# Altium PCB RabbitMask.PcbDoc (part 5 of 5)
Units mm, origin at the board's own origin, x right, y up, seen from the top; angles counter-clockwise.
Board outline 372.49 x 232.54 mm, 2 copper layers (Top Layer, Bottom Layer); 598 components, 1202 nets, 3588 pads, 0 vias.
Unrouted connection lines stored in the file: 1647.

## Nets (pads, with @x,y where several pads share a name; then routed paths per layer and width w, separated by ;. In a path a pad name is that pad's centre, name@x,y a point inside that pad or via, vN(x,y) a via of type N, cw(c..) or ccw(c..) an arc to the next point about the centre after c; other vN are vias at no path point)
5V: U1_1.1 U1_2.1 U1_3.1 U1_4.1 U1_5.1 U1_6.1 U1_7.1 U1_8.1 U1_9.1 U1_10.1 U1_11.1 U1_12.1 U1_13.1 U1_14.1 U1_15.1 U1_16.1 U1_17.1 U1_18.1 U1_19.1 U1_20.1 U1_21.1 U1_22.1 U1_23.1 U1_24.1 U1_25.1 U1_26.1 U1_27.1 U1_28.1 U1_29.1 U1_30.1 U1_31.1 U1_32.1 U1_33.1 U1_34.1 U1_35.1 U1_36.1 U1_37.1 U1_38.1 U1_39.1 U1_40.1 U1_41.1 U1_42.1 U1_43.1 U1_44.1 U1_45.1 U1_46.1 U1_47.1 U1_48.1 U1_49.1 U1_50.1 U1_51.1 U1_52.1 U1_53.1 U1_54.1 U1_55.1 U1_56.1 U1_57.1 U1_58.1 U1_59.1 U1_60.1 U1_61.1 U1_62.1 U1_63.1 U1_64.1 U1_65.1 U1_66.1 U1_67.1 U1_68.1 U1_69.1 U1_70.1 U1_71.1 U1_72.1 U1_73.1 U1_74.1 U1_75.1 U1_76.1 U1_77.1 U1_78.1 U1_79.1 U1_80.1 U1_81.1 U1_82.1 U1_83.1 U1_84.1 U1_85.1 U1_86.1 U1_87.1 U1_88.1 U1_89.1 U1_90.1 U1_91.1 U1_92.1 U1_93.1 U1_94.1 U1_95.1 U1_96.1 U1_97.1 U1_98.1 U1_99.1 U1_100.1 U1_101.1 U1_102.1 U1_103.1 U1_104.1 U1_105.1 U1_106.1 U1_107.1 U1_108.1 U1_109.1 U1_110.1 U1_111.1 U1_112.1 U1_113.1 U1_114.1 U1_115.1 U1_116.1 U1_117.1 U1_118.1 U1_119.1 U1_120.1 U1_121.1 U1_122.1 U1_123.1 U1_124.1 U1_125.1 U1_126.1 U1_127.1 U1_128.1 U1_129.1 U1_130.1 U1_131.1 U1_132.1 U1_133.1 U1_134.1 U1_135.1 U1_136.1 U1_137.1 U1_138.1 U1_139.1 U1_140.1 U1_141.1 U1_142.1 U1_143.1 U1_144.1 U1_145.1 U1_146.1 U1_147.1 U1_148.1 U1_149.1 U1_150.1 U1_151.1 U1_152.1 U1_153.1 U1_154.1 U1_155.1 U1_156.1 U1_157.1 U1_158.1 U1_159.1 U1_160.1 U1_161.1 U1_162.1 U1_163.1 U1_164.1 U1_165.1 U1_166.1 U1_167.1 U1_168.1 U1_169.1 U1_170.1 U1_171.1 U1_172.1 U1_173.1 U1_174.1 U1_175.1 U1_176.1 U1_177.1 U1_178.1 U1_179.1 U1_180.1 U1_181.1 U1_182.1 U1_183.1 U1_184.1 U1_185.1 U1_186.1 U1_187.1 U1_188.1 U1_189.1 U1_190.1 U1_191.1 U1_192.1 U1_193.1 U1_194.1 U1_195.1 U1_196.1 U1_197.1 U1_198.1 U1_199.1 U1_200.1 U1_201.1 U1_202.1 U1_203.1 U1_204.1 U1_205.1 U1_206.1 U1_207.1 U1_208.1 U1_209.1 U1_210.1 U1_211.1 U1_212.1 U1_213.1 U1_214.1 U1_215.1 U1_216.1 U1_217.1 U1_218.1 U1_219.1 U1_220.1 U1_221.1 U1_222.1 U1_223.1 U1_224.1 U1_225.1 U1_226.1 U1_227.1 U1_228.1 U1_229.1 U1_230.1 U1_231.1 U1_232.1 U1_233.1 U1_234.1 U1_235.1 U1_236.1 U1_237.1 U1_238.1 U1_239.1 U1_240.1 U1_241.1 U1_242.1 U1_243.1 U1_244.1 U1_245.1 U1_246.1 U1_247.1 U1_248.1 U1_249.1 U1_250.1 U1_251.1 U1_252.1 U1_253.1 U1_254.1 U1_255.1 U1_256.1 U1_257.1 U1_258.1 U1_259.1 U1_260.1 U1_261.1 U1_262.1 U1_263.1 U1_264.1 U1_265.1 U1_266.1 U1_267.1 U1_268.1 U1_269.1 U1_270.1 U1_271.1 U1_272.1 U1_273.1 U1_274.1 U1_275.1 U1_276.1 U1_277.1 U1_278.1 U1_279.1 U1_280.1 U1_281.1 U1_282.1 U1_283.1 U1_284.1 U1_285.1 U1_286.1 U1_287.1 U1_288.1 U1_289.1 U1_290.1 U1_291.1 U1_292.1 U1_293.1 U1_294.1 U1_295.1 U1_296.1 U1_297.1 U1_298.1 U1_299.1 U2_1.1 U2_2.1 U2_3.1 U2_4.1 U2_5.1 U2_6.1 U2_7.1 U2_8.1 U2_9.1 U2_10.1 U2_11.1 U2_12.1 U2_13.1 U2_14.1 U2_15.1 U2_16.1 U2_17.1 U2_18.1 U2_19.1 U2_20.1 U2_21.1 U2_22.1 U2_23.1 U2_24.1 U2_25.1 U2_26.1 U2_27.1 U2_28.1 U2_29.1 U2_30.1 U2_31.1 U2_32.1 U2_33.1 U2_34.1 U2_35.1 U2_36.1 U2_37.1 U2_38.1 U2_39.1 U2_40.1 U2_41.1 U2_42.1 U2_43.1 U2_44.1 U2_45.1 U2_46.1 U2_47.1 U2_48.1 U2_49.1 U2_50.1 U2_51.1 U2_52.1 U2_53.1 U2_54.1 U2_55.1 U2_56.1 U2_57.1 U2_58.1 U2_59.1 U2_60.1 U2_61.1 U2_62.1 U2_63.1 U2_64.1 U2_65.1 U2_66.1 U2_67.1 U2_68.1 U2_69.1 U2_70.1 U2_71.1 U2_72.1 U2_73.1 U2_74.1 U2_75.1 U2_76.1 U2_77.1 U2_78.1 U2_79.1 U2_80.1 U2_81.1 U2_82.1 U2_83.1 U2_84.1 U2_85.1 U2_86.1 U2_87.1 U2_88.1 U2_89.1 U2_90.1 U2_91.1 U2_92.1 U2_93.1 U2_94.1 U2_95.1 U2_96.1 U2_97.1 U2_98.1 U2_99.1 U2_100.1 U2_101.1 U2_102.1 U2_103.1 U2_104.1 U2_105.1 U2_106.1 U2_107.1 U2_108.1 U2_109.1 U2_110.1 U2_111.1 U2_112.1 U2_113.1 U2_114.1 U2_115.1 U2_116.1 U2_117.1 U2_118.1 U2_119.1 U2_120.1 U2_121.1 U2_122.1 U2_123.1 U2_124.1 U2_125.1 U2_126.1 U2_127.1 U2_128.1 U2_129.1 U2_130.1 U2_131.1 U2_132.1 U2_133.1 U2_134.1 U2_135.1 U2_136.1 U2_137.1 U2_138.1 U2_139.1 U2_140.1 U2_141.1 U2_142.1 U2_143.1 U2_144.1 U2_145.1 U2_146.1 U2_147.1 U2_148.1 U2_149.1 U2_150.1 U2_151.1 U2_152.1 U2_153.1 U2_154.1 U2_155.1 U2_156.1 U2_157.1 U2_158.1 U2_159.1 U2_160.1 U2_161.1 U2_162.1 U2_163.1 U2_164.1 U2_165.1 U2_166.1 U2_167.1 U2_168.1 U2_169.1 U2_170.1 U2_171.1 U2_172.1 U2_173.1 U2_174.1 U2_175.1 U2_176.1 U2_177.1 U2_178.1 U2_179.1 U2_180.1 U2_181.1 U2_182.1 U2_183.1 U2_184.1 U2_185.1 U2_186.1 U2_187.1 U2_188.1 U2_189.1 U2_190.1 U2_191.1 U2_192.1 U2_193.1 U2_194.1 U2_195.1 U2_196.1 U2_197.1 U2_198.1 U2_199.1 U2_200.1 U2_201.1 U2_202.1 U2_203.1 U2_204.1 U2_205.1 U2_206.1 U2_207.1 U2_208.1 U2_209.1 U2_210.1 U2_211.1 U2_212.1 U2_213.1 U2_214.1 U2_215.1 U2_216.1 U2_217.1 U2_218.1 U2_219.1 U2_220.1 U2_221.1 U2_222.1 U2_223.1 U2_224.1 U2_225.1 U2_226.1 U2_227.1 U2_228.1 U2_229.1 U2_230.1 U2_231.1 U2_232.1 U2_233.1 U2_234.1 U2_235.1 U2_236.1 U2_237.1 U2_238.1 U2_239.1 U2_240.1 U2_241.1 U2_242.1 U2_243.1 U2_244.1 U2_245.1 U2_246.1 U2_247.1 U2_248.1 U2_249.1 U2_250.1 U2_251.1 U2_252.1 U2_253.1 U2_254.1 U2_255.1 U2_256.1 U2_257.1 U2_258.1 U2_259.1 U2_260.1 U2_261.1 U2_262.1 U2_263.1 U2_264.1 U2_265.1 U2_266.1 U2_267.1 U2_268.1 U2_269.1 U2_270.1 U2_271.1 U2_272.1 U2_273.1 U2_274.1 U2_275.1 U2_276.1 U2_277.1 U2_278.1 U2_279.1 U2_280.1 U2_281.1 U2_282.1 U2_283.1 U2_284.1 U2_285.1 U2_286.1 U2_287.1 U2_288.1 U2_289.1 U2_290.1 U2_291.1 U2_292.1 U2_293.1 U2_294.1 U2_295.1 U2_296.1 U2_297.1 U2_298.1 U2_299.1
B_CI1: U2_1.5
B_CI2: U2_1.2 U2_2.5
B_CI3: U2_2.2 U2_3.5
B_CI4: U2_3.2 U2_4.5
B_CI5: U2_4.2 U2_5.5
B_CI6: U2_5.2 U2_6.5
B_CI7: U2_6.2 U2_7.5
B_CI8: U2_7.2 U2_8.5
B_CI9: U2_8.2 U2_9.5
B_CI10: U2_9.2 U2_10.5
B_CI11: U2_10.2 U2_11.5
B_CI12: U2_11.2 U2_12.5
B_CI13: U2_12.2 U2_13.5
B_CI14: U2_13.2 U2_14.5
B_CI15: U2_14.2 U2_15.5
B_CI16: U2_15.2 U2_16.5
B_CI17: U2_16.2 U2_17.5
B_CI18: U2_17.2 U2_18.5
B_CI19: U2_18.2 U2_19.5
B_CI20: U2_19.2 U2_20.5
B_CI21: U2_20.2 U2_21.5
B_CI22: U2_21.2 U2_22.5
B_CI23: U2_22.2 U2_23.5
B_CI24: U2_23.2 U2_24.5
B_CI25: U2_24.2 U2_25.5
B_CI26: U2_25.2 U2_26.5
B_CI27: U2_26.2 U2_27.5
B_CI28: U2_27.2 U2_28.5
B_CI29: U2_28.2 U2_29.5
B_CI30: U2_29.2 U2_30.5
B_CI31: U2_30.2 U2_31.5
B_CI32: U2_31.2 U2_32.5
B_CI33: U2_32.2 U2_33.5
B_CI34: U2_33.2 U2_34.5
B_CI35: U2_34.2 U2_35.5
B_CI36: U2_35.2 U2_36.5
B_CI37: U2_36.2 U2_37.5
B_CI38: U2_37.2 U2_38.5
B_CI39: U2_38.2 U2_39.5
B_CI40: U2_39.2 U2_40.5
B_CI41: U2_40.2 U2_41.5
B_CI42: U2_41.2 U2_42.5
B_CI43: U2_42.2 U2_43.5
B_CI44: U2_43.2 U2_44.5
B_CI45: U2_44.2 U2_45.5
B_CI46: U2_45.2 U2_46.5
B_CI47: U2_46.2 U2_47.5
B_CI48: U2_47.2 U2_48.5
B_CI49: U2_48.2 U2_49.5
B_CI50: U2_49.2 U2_50.5
B_CI51: U2_50.2 U2_51.5
B_CI52: U2_51.2 U2_52.5
B_CI53: U2_52.2 U2_53.5
B_CI54: U2_53.2 U2_54.5
B_CI55: U2_54.2 U2_55.5
B_CI56: U2_55.2 U2_56.5
B_CI57: U2_56.2 U2_57.5
B_CI58: U2_57.2 U2_58.5
B_CI59: U2_58.2 U2_59.5
B_CI60: U2_59.2 U2_60.5
B_CI61: U2_60.2 U2_61.5
B_CI62: U2_61.2 U2_62.5
B_CI63: U2_62.2 U2_63.5
B_CI64: U2_63.2 U2_64.5
B_CI65: U2_64.2 U2_65.5
B_CI66: U2_65.2 U2_66.5
B_CI67: U2_66.2 U2_67.5
B_CI68: U2_67.2 U2_68.5
B_CI69: U2_68.2 U2_69.5
B_CI70: U2_69.2 U2_70.5
B_CI71: U2_70.2 U2_71.5
B_CI72: U2_71.2 U2_72.5
B_CI73: U2_72.2 U2_73.5
B_CI74: U2_73.2 U2_74.5
B_CI75: U2_74.2 U2_75.5
B_CI76: U2_75.2 U2_76.5
B_CI77: U2_76.2 U2_77.5
B_CI78: U2_77.2 U2_78.5
B_CI79: U2_78.2 U2_79.5
B_CI80: U2_79.2 U2_80.5
B_CI81: U2_80.2 U2_81.5
B_CI82: U2_81.2 U2_82.5
B_CI83: U2_82.2 U2_83.5
B_CI84: U2_83.2 U2_84.5
B_CI85: U2_84.2 U2_85.5
B_CI86: U2_85.2 U2_86.5
B_CI87: U2_86.2 U2_87.5
B_CI88: U2_87.2 U2_88.5
B_CI89: U2_88.2 U2_89.5
B_CI90: U2_89.2 U2_90.5
B_CI91: U2_90.2 U2_91.5
B_CI92: U2_91.2 U2_92.5
B_CI93: U2_92.2 U2_93.5
B_CI94: U2_93.2 U2_94.5
B_CI95: U2_94.2 U2_95.5
B_CI96: U2_95.2 U2_96.5
B_CI97: U2_96.2 U2_97.5
B_CI98: U2_97.2 U2_98.5
B_CI99: U2_98.2 U2_99.5
B_CI100: U2_99.2 U2_100.5
B_CI101: U2_100.2 U2_101.5
B_CI102: U2_101.2 U2_102.5
B_CI103: U2_102.2 U2_103.5
B_CI104: U2_103.2 U2_104.5
B_CI105: U2_104.2 U2_105.5
B_CI106: U2_105.2 U2_106.5
B_CI107: U2_106.2 U2_107.5
B_CI108: U2_107.2 U2_108.5
B_CI109: U2_108.2 U2_109.5
B_CI110: U2_109.2 U2_110.5
B_CI111: U2_110.2 U2_111.5
B_CI112: U2_111.2 U2_112.5
B_CI113: U2_112.2 U2_113.5
B_CI114: U2_113.2 U2_114.5
B_CI115: U2_114.2 U2_115.5
B_CI116: U2_115.2 U2_116.5
B_CI117: U2_116.2 U2_117.5
B_CI118: U2_117.2 U2_118.5
B_CI119: U2_118.2 U2_119.5
B_CI120: U2_119.2 U2_120.5
B_CI121: U2_120.2 U2_121.5
B_CI122: U2_121.2 U2_122.5
B_CI123: U2_122.2 U2_123.5
B_CI124: U2_123.2 U2_124.5
B_CI125: U2_124.2 U2_125.5
B_CI126: U2_125.2 U2_126.5
B_CI127: U2_126.2 U2_127.5
B_CI128: U2_127.2 U2_128.5
B_CI129: U2_128.2 U2_129.5
B_CI130: U2_129.2 U2_130.5
B_CI131: U2_130.2 U2_131.5
B_CI132: U2_131.2 U2_132.5
B_CI133: U2_132.2 U2_133.5
B_CI134: U2_133.2 U2_134.5
B_CI135: U2_134.2 U2_135.5
B_CI136: U2_135.2 U2_136.5
B_CI137: U2_136.2 U2_137.5
B_CI138: U2_137.2 U2_138.5
B_CI139: U2_138.2 U2_139.5
B_CI140: U2_139.2 U2_140.5
B_CI141: U2_140.2 U2_141.5
B_CI142: U2_141.2 U2_142.5
B_CI143: U2_142.2 U2_143.5
B_CI144: U2_143.2 U2_144.5
B_CI145: U2_144.2 U2_145.5
B_CI146: U2_145.2 U2_146.5
B_CI147: U2_146.2 U2_147.5
B_CI148: U2_147.2 U2_148.5
B_CI149: U2_148.2 U2_149.5
B_CI150: U2_149.2 U2_150.5
B_CI151: U2_150.2 U2_151.5
B_CI152: U2_151.2 U2_152.5
B_CI153: U2_152.2 U2_153.5
B_CI154: U2_153.2 U2_154.5
B_CI155: U2_154.2 U2_155.5
B_CI156: U2_155.2 U2_156.5
B_CI157: U2_156.2 U2_157.5
B_CI158: U2_157.2 U2_158.5
B_CI159: U2_158.2 U2_159.5
B_CI160: U2_159.2 U2_160.5
B_CI161: U2_160.2 U2_161.5
B_CI162: U2_161.2 U2_162.5
B_CI163: U2_162.2 U2_163.5
B_CI164: U2_163.2 U2_164.5
B_CI165: U2_164.2 U2_165.5
B_CI166: U2_165.2 U2_166.5
B_CI167: U2_166.2 U2_167.5
B_CI168: U2_167.2 U2_168.5
B_CI169: U2_168.2 U2_169.5
B_CI170: U2_169.2 U2_170.5
B_CI171: U2_170.2 U2_171.5
B_CI172: U2_171.2 U2_172.5
B_CI173: U2_172.2 U2_173.5
B_CI174: U2_173.2 U2_174.5
B_CI175: U2_174.2 U2_175.5
B_CI176: U2_175.2 U2_176.5
B_CI177: U2_176.2 U2_177.5
B_CI178: U2_177.2 U2_178.5
B_CI179: U2_178.2 U2_179.5
B_CI180: U2_179.2 U2_180.5
B_CI181: U2_180.2 U2_181.5
B_CI182: U2_181.2 U2_182.5
B_CI183: U2_182.2 U2_183.5
B_CI184: U2_183.2 U2_184.5
B_CI185: U2_184.2 U2_185.5
B_CI186: U2_185.2 U2_186.5
B_CI187: U2_186.2 U2_187.5
B_CI188: U2_187.2 U2_188.5
B_CI189: U2_188.2 U2_189.5
B_CI190: U2_189.2 U2_190.5
B_CI191: U2_190.2 U2_191.5
B_CI192: U2_191.2 U2_192.5
B_CI193: U2_192.2 U2_193.5
B_CI194: U2_193.2 U2_194.5
B_CI195: U2_194.2 U2_195.5
B_CI196: U2_195.2 U2_196.5
B_CI197: U2_196.2 U2_197.5
B_CI198: U2_197.2 U2_198.5
B_CI199: U2_198.2 U2_199.5
B_CI200: U2_199.2 U2_200.5
B_CI201: U2_200.2 U2_201.5
B_CI202: U2_201.2 U2_202.5
B_CI203: U2_202.2 U2_203.5
B_CI204: U2_203.2 U2_204.5
B_CI205: U2_204.2 U2_205.5
B_CI206: U2_205.2 U2_206.5
B_CI207: U2_206.2 U2_207.5
B_CI208: U2_207.2 U2_208.5
B_CI209: U2_208.2 U2_209.5
B_CI210: U2_209.2 U2_210.5
B_CI211: U2_210.2 U2_211.5
B_CI212: U2_211.2 U2_212.5
B_CI213: U2_212.2 U2_213.5
B_CI214: U2_213.2 U2_214.5
B_CI215: U2_214.2 U2_215.5
B_CI216: U2_215.2 U2_216.5
B_CI217: U2_216.2 U2_217.5
B_CI218: U2_217.2 U2_218.5
B_CI219: U2_218.2 U2_219.5
B_CI220: U2_219.2 U2_220.5
B_CI221: U2_220.2 U2_221.5
B_CI222: U2_221.2 U2_222.5
B_CI223: U2_222.2 U2_223.5
B_CI224: U2_223.2 U2_224.5
B_CI225: U2_224.2 U2_225.5
B_CI226: U2_225.2 U2_226.5
B_CI227: U2_226.2 U2_227.5
B_CI228: U2_227.2 U2_228.5
B_CI229: U2_228.2 U2_229.5
B_CI230: U2_229.2 U2_230.5
B_CI231: U2_230.2 U2_231.5
B_CI232: U2_231.2 U2_232.5
B_CI233: U2_232.2 U2_233.5
B_CI234: U2_233.2 U2_234.5
B_CI235: U2_234.2 U2_235.5
B_CI236: U2_235.2 U2_236.5
B_CI237: U2_236.2 U2_237.5
B_CI238: U2_237.2 U2_238.5
B_CI239: U2_238.2 U2_239.5
B_CI240: U2_239.2 U2_240.5
B_CI241: U2_240.2 U2_241.5
B_CI242: U2_241.2 U2_242.5
B_CI243: U2_242.2 U2_243.5
B_CI244: U2_243.2 U2_244.5
B_CI245: U2_244.2 U2_245.5
B_CI246: U2_245.2 U2_246.5
B_CI247: U2_246.2 U2_247.5
B_CI248: U2_247.2 U2_248.5
B_CI249: U2_248.2 U2_249.5
B_CI250: U2_249.2 U2_250.5
B_CI251: U2_250.2 U2_251.5
B_CI252: U2_251.2 U2_252.5
B_CI253: U2_252.2 U2_253.5
B_CI254: U2_253.2 U2_254.5
B_CI255: U2_254.2 U2_255.5
B_CI256: U2_255.2 U2_256.5
B_CI257: U2_256.2 U2_257.5
B_CI258: U2_257.2 U2_258.5
B_CI259: U2_258.2 U2_259.5
B_CI260: U2_259.2 U2_260.5
B_CI261: U2_260.2 U2_261.5
B_CI262: U2_261.2 U2_262.5
B_CI263: U2_262.2 U2_263.5
B_CI264: U2_263.2 U2_264.5
B_CI265: U2_264.2 U2_265.5
B_CI266: U2_265.2 U2_266.5
B_CI267: U2_266.2 U2_267.5
B_CI268: U2_267.2 U2_268.5
B_CI269: U2_268.2 U2_269.5
B_CI270: U2_269.2 U2_270.5
B_CI271: U2_270.2 U2_271.5
B_CI272: U2_271.2 U2_272.5
B_CI273: U2_272.2 U2_273.5
B_CI274: U2_273.2 U2_274.5
B_CI275: U2_274.2 U2_275.5
B_CI276: U2_275.2 U2_276.5
B_CI277: U2_276.2 U2_277.5
B_CI278: U2_277.2 U2_278.5
B_CI279: U2_278.2 U2_279.5
B_CI280: U2_279.2 U2_280.5
B_CI281: U2_280.2 U2_281.5
B_CI282: U2_281.2 U2_282.5
B_CI283: U2_282.2 U2_283.5
B_CI284: U2_283.2 U2_284.5
B_CI285: U2_284.2 U2_285.5
B_CI286: U2_285.2 U2_286.5
B_CI287: U2_286.2 U2_287.5
B_CI288: U2_287.2 U2_288.5
B_CI289: U2_288.2 U2_289.5
B_CI290: U2_289.2 U2_290.5
B_CI291: U2_290.2 U2_291.5
B_CI292: U2_291.2 U2_292.5
B_CI293: U2_292.2 U2_293.5
B_CI294: U2_293.2 U2_294.5
B_CI295: U2_294.2 U2_295.5
B_CI296: U2_295.2 U2_296.5
B_CI297: U2_296.2 U2_297.5
B_CI298: U2_297.2 U2_298.5
B_CI299: U2_298.2 U2_299.5
B_CO299: U2_299.2
B_DI1: U2_1.4
B_DI2: U2_1.3 U2_2.4
B_DI3: U2_2.3 U2_3.4
B_DI4: U2_3.3 U2_4.4
B_DI5: U2_4.3 U2_5.4
B_DI6: U2_5.3 U2_6.4
B_DI7: U2_6.3 U2_7.4
B_DI8: U2_7.3 U2_8.4
B_DI9: U2_8.3 U2_9.4
B_DI10: U2_9.3 U2_10.4
B_DI11: U2_10.3 U2_11.4
B_DI12: U2_11.3 U2_12.4
B_DI13: U2_12.3 U2_13.4
B_DI14: U2_13.3 U2_14.4
B_DI15: U2_14.3 U2_15.4
B_DI16: U2_15.3 U2_16.4
B_DI17: U2_16.3 U2_17.4
B_DI18: U2_17.3 U2_18.4
B_DI19: U2_18.3 U2_19.4
B_DI20: U2_19.3 U2_20.4
B_DI21: U2_20.3 U2_21.4
B_DI22: U2_21.3 U2_22.4
B_DI23: U2_22.3 U2_23.4
B_DI24: U2_23.3 U2_24.4
B_DI25: U2_24.3 U2_25.4
B_DI26: U2_25.3 U2_26.4
B_DI27: U2_26.3 U2_27.4
B_DI28: U2_27.3 U2_28.4
B_DI29: U2_28.3 U2_29.4
B_DI30: U2_29.3 U2_30.4
B_DI31: U2_30.3 U2_31.4
B_DI32: U2_31.3 U2_32.4
B_DI33: U2_32.3 U2_33.4
B_DI34: U2_33.3 U2_34.4
B_DI35: U2_34.3 U2_35.4
B_DI36: U2_35.3 U2_36.4
B_DI37: U2_36.3 U2_37.4
B_DI38: U2_37.3 U2_38.4
B_DI39: U2_38.3 U2_39.4
B_DI40: U2_39.3 U2_40.4
B_DI41: U2_40.3 U2_41.4
B_DI42: U2_41.3 U2_42.4
B_DI43: U2_42.3 U2_43.4
B_DI44: U2_43.3 U2_44.4
B_DI45: U2_44.3 U2_45.4
B_DI46: U2_45.3 U2_46.4
B_DI47: U2_46.3 U2_47.4
B_DI48: U2_47.3 U2_48.4
B_DI49: U2_48.3 U2_49.4
B_DI50: U2_49.3 U2_50.4
B_DI51: U2_50.3 U2_51.4
B_DI52: U2_51.3 U2_52.4
B_DI53: U2_52.3 U2_53.4
B_DI54: U2_53.3 U2_54.4
B_DI55: U2_54.3 U2_55.4
B_DI56: U2_55.3 U2_56.4
B_DI57: U2_56.3 U2_57.4
B_DI58: U2_57.3 U2_58.4
B_DI59: U2_58.3 U2_59.4
B_DI60: U2_59.3 U2_60.4
B_DI61: U2_60.3 U2_61.4
B_DI62: U2_61.3 U2_62.4
B_DI63: U2_62.3 U2_63.4
B_DI64: U2_63.3 U2_64.4
B_DI65: U2_64.3 U2_65.4
B_DI66: U2_65.3 U2_66.4
B_DI67: U2_66.3 U2_67.4
B_DI68: U2_67.3 U2_68.4
B_DI69: U2_68.3 U2_69.4
B_DI70: U2_69.3 U2_70.4
B_DI71: U2_70.3 U2_71.4
B_DI72: U2_71.3 U2_72.4
B_DI73: U2_72.3 U2_73.4
B_DI74: U2_73.3 U2_74.4
B_DI75: U2_74.3 U2_75.4
B_DI76: U2_75.3 U2_76.4
B_DI77: U2_76.3 U2_77.4
B_DI78: U2_77.3 U2_78.4
B_DI79: U2_78.3 U2_79.4
B_DI80: U2_79.3 U2_80.4
B_DI81: U2_80.3 U2_81.4
B_DI82: U2_81.3 U2_82.4
B_DI83: U2_82.3 U2_83.4
B_DI84: U2_83.3 U2_84.4
B_DI85: U2_84.3 U2_85.4
B_DI86: U2_85.3 U2_86.4
B_DI87: U2_86.3 U2_87.4
B_DI88: U2_87.3 U2_88.4
B_DI89: U2_88.3 U2_89.4
B_DI90: U2_89.3 U2_90.4
B_DI91: U2_90.3 U2_91.4
B_DI92: U2_91.3 U2_92.4
B_DI93: U2_92.3 U2_93.4
B_DI94: U2_93.3 U2_94.4
B_DI95: U2_94.3 U2_95.4
B_DI96: U2_95.3 U2_96.4
B_DI97: U2_96.3 U2_97.4
B_DI98: U2_97.3 U2_98.4
B_DI99: U2_98.3 U2_99.4
B_DI100: U2_99.3 U2_100.4
B_DI101: U2_100.3 U2_101.4
B_DI102: U2_101.3 U2_102.4
B_DI103: U2_102.3 U2_103.4
B_DI104: U2_103.3 U2_104.4
B_DI105: U2_104.3 U2_105.4
B_DI106: U2_105.3 U2_106.4
B_DI107: U2_106.3 U2_107.4
B_DI108: U2_107.3 U2_108.4
B_DI109: U2_108.3 U2_109.4
B_DI110: U2_109.3 U2_110.4
B_DI111: U2_110.3 U2_111.4
B_DI112: U2_111.3 U2_112.4
B_DI113: U2_112.3 U2_113.4
B_DI114: U2_113.3 U2_114.4
B_DI115: U2_114.3 U2_115.4
B_DI116: U2_115.3 U2_116.4
B_DI117: U2_116.3 U2_117.4
B_DI118: U2_117.3 U2_118.4
B_DI119: U2_118.3 U2_119.4
B_DI120: U2_119.3 U2_120.4
B_DI121: U2_120.3 U2_121.4
B_DI122: U2_121.3 U2_122.4
B_DI123: U2_122.3 U2_123.4
B_DI124: U2_123.3 U2_124.4
B_DI125: U2_124.3 U2_125.4
B_DI126: U2_125.3 U2_126.4
B_DI127: U2_126.3 U2_127.4
B_DI128: U2_127.3 U2_128.4
B_DI129: U2_128.3 U2_129.4
B_DI130: U2_129.3 U2_130.4
B_DI131: U2_130.3 U2_131.4
B_DI132: U2_131.3 U2_132.4
B_DI133: U2_132.3 U2_133.4
B_DI134: U2_133.3 U2_134.4
B_DI135: U2_134.3 U2_135.4
B_DI136: U2_135.3 U2_136.4
B_DI137: U2_136.3 U2_137.4
B_DI138: U2_137.3 U2_138.4
B_DI139: U2_138.3 U2_139.4
B_DI140: U2_139.3 U2_140.4
B_DI141: U2_140.3 U2_141.4
B_DI142: U2_141.3 U2_142.4
B_DI143: U2_142.3 U2_143.4
B_DI144: U2_143.3 U2_144.4
B_DI145: U2_144.3 U2_145.4
B_DI146: U2_145.3 U2_146.4
B_DI147: U2_146.3 U2_147.4
B_DI148: U2_147.3 U2_148.4
B_DI149: U2_148.3 U2_149.4
B_DI150: U2_149.3 U2_150.4
B_DI151: U2_150.3 U2_151.4
B_DI152: U2_151.3 U2_152.4
B_DI153: U2_152.3 U2_153.4
B_DI154: U2_153.3 U2_154.4
B_DI155: U2_154.3 U2_155.4
B_DI156: U2_155.3 U2_156.4
B_DI157: U2_156.3 U2_157.4
B_DI158: U2_157.3 U2_158.4
B_DI159: U2_158.3 U2_159.4
B_DI160: U2_159.3 U2_160.4
B_DI161: U2_160.3 U2_161.4
B_DI162: U2_161.3 U2_162.4
B_DI163: U2_162.3 U2_163.4
B_DI164: U2_163.3 U2_164.4
B_DI165: U2_164.3 U2_165.4
B_DI166: U2_165.3 U2_166.4
B_DI167: U2_166.3 U2_167.4
B_DI168: U2_167.3 U2_168.4
B_DI169: U2_168.3 U2_169.4
B_DI170: U2_169.3 U2_170.4
B_DI171: U2_170.3 U2_171.4
B_DI172: U2_171.3 U2_172.4
B_DI173: U2_172.3 U2_173.4
B_DI174: U2_173.3 U2_174.4
B_DI175: U2_174.3 U2_175.4
B_DI176: U2_175.3 U2_176.4
B_DI177: U2_176.3 U2_177.4
B_DI178: U2_177.3 U2_178.4
B_DI179: U2_178.3 U2_179.4
B_DI180: U2_179.3 U2_180.4
B_DI181: U2_180.3 U2_181.4
B_DI182: U2_181.3 U2_182.4
B_DI183: U2_182.3 U2_183.4
B_DI184: U2_183.3 U2_184.4
B_DI185: U2_184.3 U2_185.4
B_DI186: U2_185.3 U2_186.4
B_DI187: U2_186.3 U2_187.4
B_DI188: U2_187.3 U2_188.4
B_DI189: U2_188.3 U2_189.4
B_DI190: U2_189.3 U2_190.4
B_DI191: U2_190.3 U2_191.4
B_DI192: U2_191.3 U2_192.4
B_DI193: U2_192.3 U2_193.4
B_DI194: U2_193.3 U2_194.4
B_DI195: U2_194.3 U2_195.4
B_DI196: U2_195.3 U2_196.4
B_DI197: U2_196.3 U2_197.4
B_DI198: U2_197.3 U2_198.4
B_DI199: U2_198.3 U2_199.4
B_DI200: U2_199.3 U2_200.4
B_DI201: U2_200.3 U2_201.4
B_DI202: U2_201.3 U2_202.4
B_DI203: U2_202.3 U2_203.4
B_DI204: U2_203.3 U2_204.4
B_DI205: U2_204.3 U2_205.4
B_DI206: U2_205.3 U2_206.4
B_DI207: U2_206.3 U2_207.4
B_DI208: U2_207.3 U2_208.4
B_DI209: U2_208.3 U2_209.4
B_DI210: U2_209.3 U2_210.4
B_DI211: U2_210.3 U2_211.4
B_DI212: U2_211.3 U2_212.4
B_DI213: U2_212.3 U2_213.4
B_DI214: U2_213.3 U2_214.4
B_DI215: U2_214.3 U2_215.4
B_DI216: U2_215.3 U2_216.4
B_DI217: U2_216.3 U2_217.4
B_DI218: U2_217.3 U2_218.4
B_DI219: U2_218.3 U2_219.4
B_DI220: U2_219.3 U2_220.4
B_DI221: U2_220.3 U2_221.4
B_DI222: U2_221.3 U2_222.4
B_DI223: U2_222.3 U2_223.4
B_DI224: U2_223.3 U2_224.4
B_DI225: U2_224.3 U2_225.4
B_DI226: U2_225.3 U2_226.4
B_DI227: U2_226.3 U2_227.4
B_DI228: U2_227.3 U2_228.4
B_DI229: U2_228.3 U2_229.4
B_DI230: U2_229.3 U2_230.4
B_DI231: U2_230.3 U2_231.4
B_DI232: U2_231.3 U2_232.4
B_DI233: U2_232.3 U2_233.4
B_DI234: U2_233.3 U2_234.4
B_DI235: U2_234.3 U2_235.4
B_DI236: U2_235.3 U2_236.4
B_DI237: U2_236.3 U2_237.4
B_DI238: U2_237.3 U2_238.4
B_DI239: U2_238.3 U2_239.4
B_DI240: U2_239.3 U2_240.4
B_DI241: U2_240.3 U2_241.4
B_DI242: U2_241.3 U2_242.4
B_DI243: U2_242.3 U2_243.4
B_DI244: U2_243.3 U2_244.4
B_DI245: U2_244.3 U2_245.4
B_DI246: U2_245.3 U2_246.4
B_DI247: U2_246.3 U2_247.4
B_DI248: U2_247.3 U2_248.4
B_DI249: U2_248.3 U2_249.4
B_DI250: U2_249.3 U2_250.4
B_DI251: U2_250.3 U2_251.4
B_DI252: U2_251.3 U2_252.4
B_DI253: U2_252.3 U2_253.4
B_DI254: U2_253.3 U2_254.4
B_DI255: U2_254.3 U2_255.4
B_DI256: U2_255.3 U2_256.4
B_DI257: U2_256.3 U2_257.4
B_DI258: U2_257.3 U2_258.4
B_DI259: U2_258.3 U2_259.4
B_DI260: U2_259.3 U2_260.4
B_DI261: U2_260.3 U2_261.4
B_DI262: U2_261.3 U2_262.4
B_DI263: U2_262.3 U2_263.4
B_DI264: U2_263.3 U2_264.4
B_DI265: U2_264.3 U2_265.4
B_DI266: U2_265.3 U2_266.4
B_DI267: U2_266.3 U2_267.4
B_DI268: U2_267.3 U2_268.4
B_DI269: U2_268.3 U2_269.4
B_DI270: U2_269.3 U2_270.4
B_DI271: U2_270.3 U2_271.4
B_DI272: U2_271.3 U2_272.4
B_DI273: U2_272.3 U2_273.4
B_DI274: U2_273.3 U2_274.4
B_DI275: U2_274.3 U2_275.4
B_DI276: U2_275.3 U2_276.4